# Allegro board Try it by yourself - iMX6Rex module - Create Class - Assign Color - Copy last segment.brd (continued)
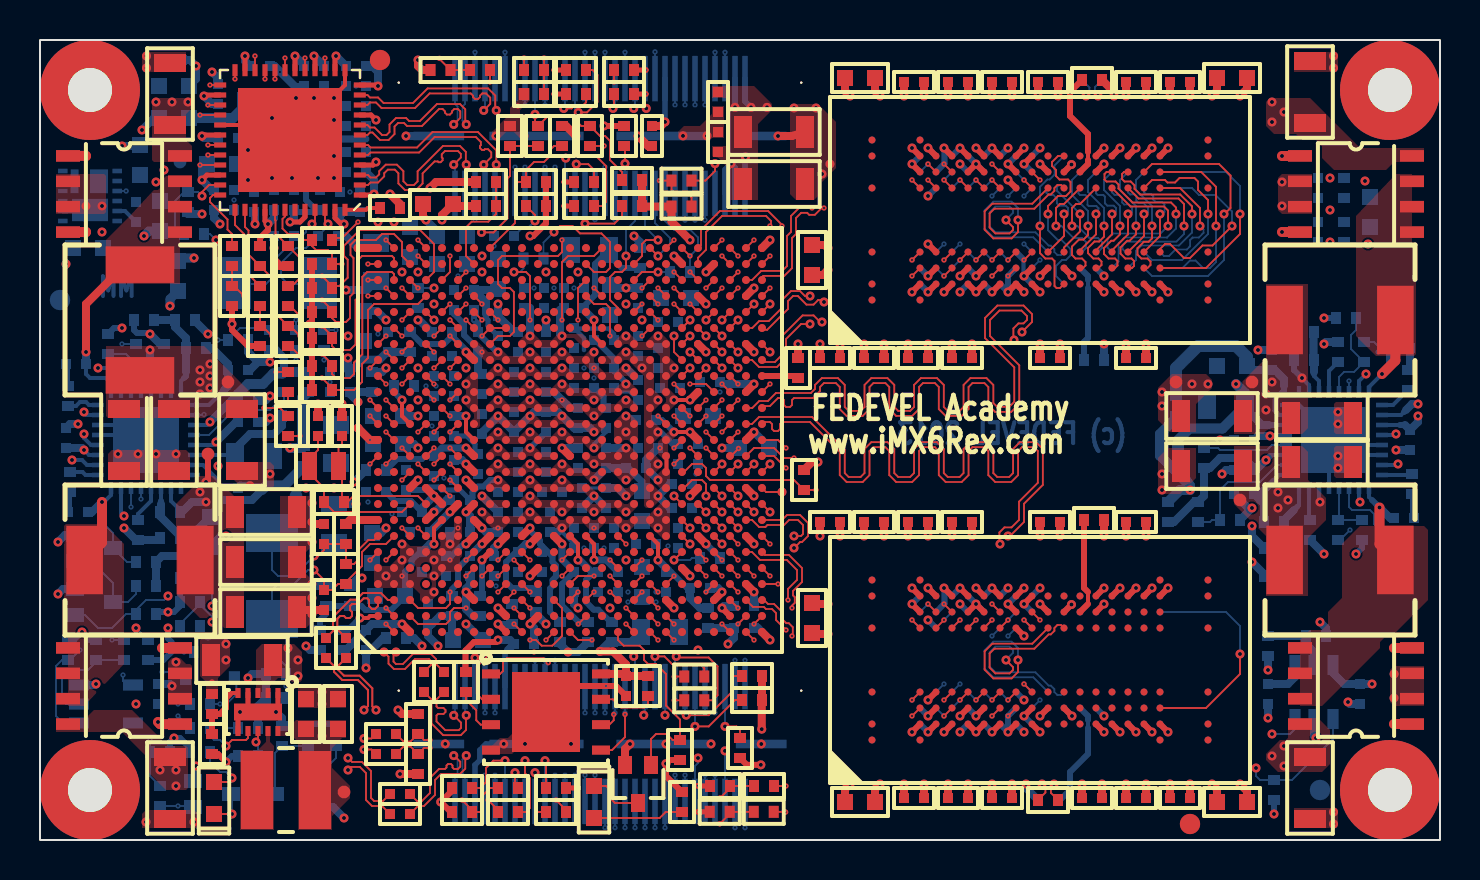
[diagram p0: board, top side]
## Routing (per net, layer and track width the routed paths; a pad name or vN(x,y) marks a point on that pad's centre or on a via; arc(x,y) is an arc through that point) (continued)
  TOP w0.093: v2(26.1,26) 26.1,28.9 26.4,29.2 27.7,29.2 U1.R25 ; U10.1 23,8.31 23.15,8.45 23.15,8.89 23.35,9.09 25.19,9.09 v2(25.41,8.87)
  L2 w0.1: v2(25.41,8.87) v3(25.81,8.87) ; v2(26.1,26) v3(26.4,25.7)
  L3 w0.08: v3(26.4,25.7) 26.9,25.2 26.9,17.7 26.3,17.1 25.8,17.1 25.2,16.5 25.2,12.78 25.7,12.28 25.7,11.21 25.87,11.04 25.87,9.76 25.7,9.59 25.7,8.98 v3(25.81,8.87)
CSPI3_MISO: length 27.8
  TOP w0.093: U10.2 22.11,7.04 21.84,7.3 21.84,8.67 22.57,9.4 v2(24.7,9.4) ; v2(26.9,26) 26.9,27.6 U1.P23
  L2 w0.1: v3(26.6,26.3) v2(26.9,26) ; v2(24.7,9.4) v3(25.1,9.4)
  L3 w0.08: v3(25.1,9.4) 25.23,9.4 25.67,9.84 25.67,10.96 25.5,11.13 25.5,12.1 24.9,12.7 24.9,16.58 25.72,17.4 26.2,17.4 26.6,17.8 26.6,24.5 26.27,24.83 25.94,24.83 25.72,25.04 25.72,25.43 26.6,26.3 v3(26.6,26.3)
CSPI3_MOSI: length 28.2
  TOP w0.093: U10.5 28.6,4.5 29.25,5.15 v2(29.25,6.28) ; v2(28.5,25.2) 28.5,26.6 28.3,26.8 27.7,26.8 U1.P22
  L2 w0.1: v3(28.2,24.9) v2(28.5,25.2) ; v2(29.25,6.28) v3(29.25,6.68)
  L3 w0.08: v3(28.2,24.9) 27.67,24.9 27.2,24.43 27.2,17.6 26.4,16.8 25.9,16.8 25.5,16.4 25.5,12.87 25.9,12.47 25.9,11.3 26.07,11.13 26.07,9.68 26,9.6 26,9.27 27.37,7.9 28.03,7.9 v3(29.25,6.68)
DRAM0_ZQ: length 4.8
  TOP w0.2: 52.4,12.4 52.4,11.8
  TOP w0.3: 52.4,12.4 52.2,12.6 R4.2 ; 52.4,11.8 U2.L8
DRAM1_ZQ: length 5.4
  BOTTOM w0.2: 52.4,6 52.4,5.6
  BOTTOM w0.3: 52.4,5.6 52.4,4.3 51.5,3.4 51.5,2.5 51,2 R5.2 ; 52.4,6 52.4,6.2 U3.L8
DRAM2_ZQ: length 5.4
  TOP w0.2: 52.4,34.4 52.4,34
  TOP w0.3: 52.4,34 52.4,33.8 U4.L8 ; R8.2 51.5,37.4 51.5,36.2 52.4,35.3 52.4,34.4
DRAM3_ZQ: length 4.8
  BOTTOM w0.2: 52.4,28 52.4,27.6
  BOTTOM w0.3: R9.2 52.2,24.9 52.4,25.1 52.4,27.6 ; 52.4,28 52.4,28.2 U5.L8
DRAM_A0: length 66.4
  TOP w0.093: v1(54.4,31.3) 54.4,30.28 53.6,29.48 U4.N3 ; v2(34.1,20.4) U1.AC14
  L2 w0.1: v2(34.1,20.4) v3(34.4,20.1)
  L3 w0.08: v4(52.9,18.6) 52.62,18.6 51.27,17.25 46.11,17.25 45.69,17.68 44.6,17.68 44.42,17.5 40.83,17.5 38.73,19.6 36.9,19.6 36.71,19.42 36.71,19.18 36.87,19.02 36.87,18.64 36.66,18.43 36.24,18.43 35.9,18.08 35.9,17.75 35.75,17.6 35.5,17.6 35.35,17.75 35.35,18.05 35.2,18.2 34.95,18.2 34.8,18.05 34.8,17.75 34.65,17.6 34.4,17.6 34.25,17.75 34.25,18.05 34.1,18.2 33.25,18.2 33.12,18.33 33.12,18.7 33.25,18.83 33.53,18.83 33.9,19.2 34.23,19.2 34.6,19.57 34.6,19.9 v3(34.4,20.1)
  L10 w0.08: 54.4,9.3 54.4,9.69 57,12.29 57,13 56.77,13.23 56.45,13.23 56.25,13.42 56.25,14.49 56.11,14.63 55.86,14.63 55.71,14.48 55.71,13.84 55.56,13.69 55.31,13.69 55.15,13.85 55.15,14.69 55.28,14.82 55.55,14.82 55.67,14.94 55.67,15.63 55.55,15.75 55.28,15.75 55.15,15.88 55.15,16.62 54.72,17.05 54.22,17.05 53.77,17.5 53.77,17.75 54.17,18.15 54.17,18.4 54.02,18.55 53.77,18.55 53.37,18.15 53.12,18.15 52.9,18.37 v4(52.9,18.6) 52.1,19.4 52.1,19.65 52.25,19.8 52.5,19.8 52.7,20 52.7,21.74 53.7,22.74 53.7,23 55.12,24.43 55.46,24.43 55.67,24.64 55.67,25.42 57.3,27.04 57.3,27.76 56.26,28.8 55.99,28.8 54.4,30.39 v1(54.4,31.3)
  BOTTOM w0.093: v1(54.4,31.3) 54.5,31.3 54.6,31.4 54.6,31.62 54.44,31.78 54.21,31.78 54.11,31.87 54.11,32.11 53.96,32.25 53.73,32.25 53.6,32.38 U5.N3
DRAM_A1: length 65.6
  TOP w0.093: U1.AB14 v2(34.1,21.2) ; U4.P7 54.92,32.08 56.92,32.08 57.2,31.8 v1(57.2,30.7)
  L2 w0.1: v3(33.8,20.9) v2(34.1,21.2)
  L3 w0.08: v4(55.9,21) 56.2,21 56.5,21.3 56.5,21.5 56.65,21.65 56.9,21.65 57.05,21.5 57.05,20.72 56.76,20.43 55.45,20.43 55.25,20.23 53.66,20.23 53.33,19.9 52.25,19.9 50.83,18.48 48.02,18.48 47.5,19 46.93,19 46.66,18.73 46.33,18.73 46.06,19 41.35,19 39.25,21.1 34.17,21.1 34.08,21.01 33.91,21.01 v3(33.8,20.9)
  L10 w0.08: v1(57.2,30.7) 57.2,30.51 59.05,28.66 59.05,25.5 57.02,23.48 57.02,22.68 56.95,22.6 56.65,22.6 56.5,22.45 56.5,22.2 56.65,22.05 57.45,22.05 57.6,21.9 57.6,21.65 57.45,21.5 56.43,21.5 56.26,21.33 56,21.33 55.9,21.23 v4(55.9,21) 55.9,20.36 56.85,19.41 56.85,19.3 58.7,17.45 58.7,11.49 57.2,9.99 57.2,8.7
  BOTTOM w0.093: U5.P7 54.27,29.4 54.12,29.55 54.12,29.74 54.31,29.93 56.82,29.93 57.2,30.3 v1(57.2,30.7)
DRAM_A2: length 64.1
  TOP w0.093: v1(55.2,31.3) 55.2,30.2 U4.P3 ; U1.AA14 v2(33.3,21.2)
  L2 w0.1: v3(33,20.9) v2(33.3,21.2)
  L3 w0.08: v3(33,20.9) 33.51,21.41 33.92,21.41 34.31,21.81 34.31,21.82 34.48,21.98 34.72,21.98 34.89,21.82 36.09,21.82 36.13,21.85 39.5,21.85 41.15,20.2 41.35,20.2 41.5,20.35 41.5,20.55 41.65,20.7 41.9,20.7 42.05,20.55 42.05,19.85 42.2,19.7 42.45,19.7 42.6,19.85 42.6,20.55 42.75,20.7 43,20.7 43.15,20.55 43.15,19.85 43.3,19.7 43.55,19.7 43.7,19.85 43.7,20.55 43.85,20.7 44.1,20.7 44.25,20.55 44.25,19.85 44.4,19.7 44.65,19.7 44.8,19.85 44.8,20.25 44.95,20.4 45.2,20.4 45.35,20.25 45.35,19.85 45.5,19.7 45.75,19.7 45.9,19.85 45.9,20.25 46.05,20.4 46.3,20.4 46.45,20.25 46.45,19.85 46.6,19.7 46.78,19.7 46.88,19.6 48.15,19.6 48.3,19.45 48.3,19.1 48.45,18.95 48.7,18.95 48.85,19.1 48.85,19.55 48.98,19.68 50.9,19.68 51.07,19.5 51.55,19.5 52.45,20.4 v4(53.3,20.4)
  L10 w0.08: v1(55.2,31.3) 55.2,30.57 57.8,27.97 57.8,26.84 56.99,26.03 56.99,25.79 57.15,25.64 57.15,25.4 57,25.25 56.76,25.25 56.6,25.41 56.35,25.41 56.2,25.26 56.2,24.55 53.3,21.65 v4(53.3,20.4) 53.3,19.6 53.72,19.18 54.46,19.18 54.92,18.71 54.92,17.48 55.6,16.8 55.6,16.5 55.89,16.21 56.63,16.21 56.94,15.89 56.94,15.29 57.45,14.78 57.45,12.03 55.2,9.78 55.2,9.3
  BOTTOM w0.093: U5.P3 54.4,32.38 54.5,32.28 54.74,32.28 54.82,32.2 54.82,31.97 54.93,31.85 55.16,31.85 55.4,31.62 55.4,31.4 55.3,31.3 v1(55.2,31.3)
DRAM_A3: length 66
  TOP w0.093: U4.N2 53.75,28.6 53.87,28.73 53.87,28.95 53.75,29.08 53.42,29.08 53.2,29.3 53.2,29.6 53.56,29.96 53.68,29.96 54,30.28 v1(54,30.7) ; v2(31.7,21.2) U1.Y14
  L2 w0.1: v3(31.4,21.5) v2(31.7,21.2)
  L3 w0.08: v3(31.4,21.5) 31.27,21.63 31.27,22.16 31.05,22.38 31.05,22.95 30.9,23.1 30.65,23.1 30.5,22.95 30.5,22.6 30.29,22.39 29.89,22.39 29.7,22.2 29.7,21.8 30.5,21 32.41,21 33.31,21.9 33.6,21.9 33.68,21.98 34.18,21.98 34.38,22.19 34.83,22.19 35,22.02 36.01,22.02 36.1,22.1 39.53,22.1 40.68,20.95 44.15,20.95 44.5,20.6 46.5,20.6 47.22,19.87 50.03,19.87 50.23,20.08 51.22,20.08 v4(51.4,19.9)
  L10 w0.08: v1(54,30.7) 54,30.43 55.93,28.5 56.21,28.5 57.05,27.66 57.05,27.16 54.92,25.04 54.92,24.56 53.4,23.04 53.4,22.8 52.3,21.7 52.3,20.9 52.5,20.7 52.5,20.35 52.35,20.2 52.1,20.2 51.85,20.45 51.65,20.45 51.4,20.2 v4(51.4,19.9) 51.4,19.53 54.13,16.8 54.63,16.8 54.9,16.53 54.9,13.7 55.15,13.45 55.56,13.45 56.04,12.98 56.61,12.98 56.8,12.78 56.8,12.44 54,9.64 54,8.7
  BOTTOM w0.093: v1(54,30.7) 54,31.7 53.2,32.5 53.2,33 U5.N2
DRAM_A4: length 65.6
  TOP w0.093: U4.P8 54.2,33.4 54.1,33.3 54.1,33.05 54.22,32.93 54.53,32.93 54.72,32.73 54.72,32.56 55.01,32.28 57.01,32.28 57.6,31.68 v1(57.6,31.3) ; v2(30.9,21.2) U1.W14
  L2 w0.1: v3(30.6,21.5) v2(30.9,21.2)
  L3 w0.08: v3(30.6,21.5) 30.88,21.22 32.35,21.22 33.23,22.1 33.51,22.1 33.8,22.39 34.91,22.39 35.08,22.22 35.93,22.22 36.06,22.35 39.57,22.35 40.72,21.2 44.19,21.2 44.54,20.85 46.6,20.85 47.32,20.13 50,20.13 50.15,20.28 51.14,20.28 51.52,20.65 52.95,20.65 53.1,20.8 53.43,20.8 53.81,20.43 55.16,20.43 55.36,20.63 56.42,20.63 v4(56.6,20.8)
  L10 w0.08: 57.6,9.3 57.6,10.04 58.95,11.39 58.95,17.6 56.6,19.95 v4(56.6,20.8) 57,21.2 57.45,21.2 57.8,21.55 57.8,22.02 57.22,22.59 57.22,23.28 59.3,25.35 59.3,28.76 57.6,30.46 v1(57.6,31.3)
  BOTTOM w0.093: v1(57.6,31.3) 57.6,30.38 56.95,29.73 55.07,29.73 54.8,29.46 54.8,29 U5.P8
DRAM_A5: length 66.8
  TOP w0.093: v2(37.3,19.6) 36.9,20 U1.AE13 ; v1(54.8,30.7) 54.8,30.28 54.48,29.96 54.36,29.96 54.02,29.63 54.02,29.32 54.27,29.08 54.57,29.08 54.7,28.95 54.7,28.7 54.6,28.6 U4.P2
  L2 w0.1: v3(37,19.3) v2(37.3,19.6)
  L3 w0.08: v3(37,19.3) 37,19.3 38.18,19.3 38.52,18.96 38.52,18.74 38.74,18.52 39.47,18.52 40.75,17.25 44.45,17.25 44.68,17.48 45.6,17.48 46.08,17 51.35,17 52.27,17.93 52.67,17.93 52.9,17.7 52.9,16.9 53.05,16.75 54.5,16.75 54.65,16.9 54.65,17.15 54.5,17.3 53.5,17.3 53.35,17.45 53.35,18.65 53.5,18.8 53.75,18.8 53.9,18.65 53.9,17.9 54.05,17.75 54.3,17.75 54.45,17.9 54.45,18.65 v4(54.4,18.7)
  L10 w0.08: v1(54.8,30.7) 54.8,30.35 56.07,29.08 56.34,29.08 57.55,27.87 57.55,26.94 55.95,25.34 55.95,24.64 55.54,24.22 55.25,24.22 53.99,22.96 53.99,22.7 53,21.71 53,20.71 52.92,20.63 52.92,19.68 53.7,18.9 54.2,18.9 v4(54.4,18.7) 54.5,18.7 54.7,18.5 54.7,18 54.6,17.9 54.35,17.9 54.15,17.7 54.15,17.45 54.3,17.3 54.8,17.3 55.4,16.7 55.4,16.31 55.76,15.96 56.54,15.96 56.69,15.81 56.69,15.56 56.54,15.4 56.1,15.4 55.95,15.25 55.95,15 56.1,14.85 57.1,14.85 57.25,14.7 57.25,14.45 57.1,14.3 56.6,14.3 56.45,14.15 56.45,13.9 56.6,13.75 57.1,13.75 57.2,13.65 57.2,12.14 54.8,9.74 54.8,8.7
  BOTTOM w0.093: U5.P2 54,33 54,32.5 54.8,31.7 v1(54.8,30.7)
DRAM_A6: length 66.1
  TOP w0.093: U4.R8 55.6,33.8 58.95,33.8 59.52,33.23 59.52,31.6 59.22,31.3 v1(59.2,31.3) ; U1.AC13 v2(34.9,20.4)
  L2 w0.1: v2(34.9,20.4) v3(35.2,20.7)
  L3 w0.08: v3(35.2,20.7) 35.35,20.85 39.17,20.85 41.27,18.75 46.03,18.75 46.3,18.48 46.69,18.48 46.89,18.68 47.49,18.68 47.94,18.23 50.91,18.23 52.39,19.7 53.41,19.7 53.71,20 55.43,20 55.63,20.2 56.81,20.2 58.11,21.5 59.2,21.5 59.4,21.3 v4(59.4,20.7)
  L10 w0.08: v1(59.2,31.3) 59.2,30.5 60.3,29.4 60.3,24.9 60,24.6 60,23.82 60.17,23.64 60.17,22.5 59.9,22.22 59.9,21.5 59.75,21.35 59.35,21.35 59.2,21.2 59.2,20.9 v4(59.4,20.7) 59.4,19.37 59.97,18.79 59.97,10.68 59.2,9.9 59.2,9.3
  BOTTOM w0.093: U5.R8 55.6,28.2 58.4,28.2 59.2,29 v1(59.2,31.3)
DRAM_A7: length 64.6
  TOP w0.093: U1.Y13 v2(31.7,19.6) ; U4.R2 55.37,28.6 55.52,28.75 55.52,28.93 55.37,29.08 55.07,29.08 54.87,29.27 54.87,29.59 55.19,29.91 55.43,29.91 55.6,30.08 v1(55.6,30.7)
  L2 w0.1: v3(31.4,19.3) v2(31.7,19.6)
  L3 w0.08: v3(31.4,19.3) 31.3,19.2 30,19.2 29.85,19.35 29.85,19.65 30,19.8 32.9,19.8 33.11,20.02 33.11,20.3 33.43,20.62 33.92,20.62 34.11,20.81 34.69,20.81 35.47,20.03 35.86,20.03 36.43,20.6 39.09,20.6 41.19,18.5 45.99,18.5 46.27,18.23 46.79,18.23 47.04,18.48 47.36,18.48 47.86,17.98 50.99,17.98 52.44,19.43 53.72,19.43 v4(53.9,19.6)
  L10 w0.08: v1(55.6,30.7) 55.6,30.52 58.05,28.07 58.05,26.75 57.55,26.25 57.55,25.5 53.72,21.68 53.72,19.78 v4(53.9,19.6) 54.1,19.4 54.52,19.4 55.12,18.8 55.12,17.58 55.8,16.9 55.8,16.7 56.09,16.41 56.76,16.41 57.14,16.02 57.14,15.46 57.7,14.9 57.7,11.93 55.6,9.83 55.6,8.7
  BOTTOM w0.093: v1(55.6,30.7) 55.6,31.7 54.8,32.5 54.8,33 U5.R2
DRAM_A8: length 65.4
  TOP w0.093: v2(33.3,20.4) U1.AB13 ; U4.T8 58.06,33.4 58.8,32.66 v1(58.8,30.7)
  L2 w0.1: v2(33.3,20.4) v3(33.6,20.1)
  L3 w0.08: v4(58.7,20.9) 57.9,20.9 57,20 55.72,20 55.49,19.78 54.61,19.78 54.06,19.23 52.58,19.23 51.08,17.73 46.2,17.73 45.85,18.08 44.43,18.08 44.36,18 41.02,18 38.92,20.1 36.5,20.1 35.92,19.53 35.41,19.53 34.55,20.39 34.28,20.39 34,20.1 v3(33.6,20.1)
  L10 w0.08: v1(58.8,30.7) 58.8,30.5 60.05,29.25 60.05,25 59.22,24.18 59.22,23.87 59.37,23.73 59.7,23.73 59.85,23.58 59.85,23.33 59.7,23.18 59.33,23.18 59.1,22.95 59.1,22.3 59.3,22.1 59.55,22.1 59.7,21.95 59.7,21.7 59.55,21.55 58.7,21.55 58.55,21.4 58.55,21.15 58.7,21 v4(58.7,20.9) 58.7,20.28 58.62,20.2 58.62,19.68 59.72,18.58 59.72,10.93 58.8,10 58.8,8.7
  BOTTOM w0.093: U5.T8 57.13,28.6 57.5,28.97 57.78,28.97 58.15,28.6 58.5,28.6 58.8,28.9 v1(58.8,30.7)
DRAM_A9: length 65.2
  TOP w0.093: U4.R3 56,30.2 v1(56,31.3) ; U1.AE12 36.7,19.2 v2(37.3,18.6)
  L2 w0.1: v2(37.3,18.6) v3(37.6,18.3)
  L3 w0.08: v3(37.6,18.3) 37.17,18.3 36.9,18.03 36.52,18.03 36.3,17.8 36.3,17.5 36.5,17.3 36.5,17 36.12,16.63 36.12,16.24 36.34,16.03 36.66,16.03 36.88,16.25 55.35,16.25 55.9,16.8 55.9,17.07 55.6,17.37 55.6,17.7 55.77,17.87 56.55,17.87 56.77,18.1 56.77,18.52 56.6,18.7 55.6,18.7 v4(55.5,18.8)
  L10 w0.08: v1(56,31.3) 56,30.5 58.3,28.2 58.3,25.86 54.3,21.86 54.3,20 v4(55.5,18.8) 55.4,18.7 55.4,17.58 56.28,16.7 56.53,16.7 56.68,16.85 56.68,17.1 56.49,17.29 56.49,17.64 56.64,17.79 56.89,17.79 57.04,17.64 57.04,17.41 57.35,17.1 57.85,17.1 58,16.95 58,16.7 57.85,16.55 57.45,16.55 57.3,16.4 57.3,16.15 57.45,16 57.85,16 58,15.85 58,15.6 57.75,15.35 57.75,15.15 57.95,14.95 57.95,11.83 56,9.88 56,9.3
  BOTTOM w0.093: v1(56,31.3) 56.12,31.3 56.22,31.4 56.22,31.78 56.1,31.9 55.78,31.9 55.66,32.02 55.66,32.19 55.55,32.3 55.28,32.3 55.2,32.38 U5.R3
DRAM_A10: length 68.3
  TOP w0.093: U1.AA15 v2(33.3,22) ; v1(50.8,30.7) 50.8,31.6 51,31.8 51.2,31.8 U4.L7
  L2 w0.1: v3(33,22.3) v2(33.3,22)
  L3 w0.08: v3(33,22.3) 33.7,23 33.98,23 34.4,22.59 34.7,22.59 35.51,23.4 48.7,23.4 49.1,23 49.1,21.9 48.95,21.75 48.7,21.75 48.55,21.9 48.55,22.65 48.4,22.8 48.15,22.8 48,22.65 48,21.9 47.85,21.75 47.6,21.75 47.45,21.9 47.45,22.65 47.3,22.8 45.9,22.8 45.7,22.6 45.7,22.2 45.9,22 v4(46.4,22)
  L10 w0.08: v1(50.8,30.7) 50.8,30.45 52.27,28.99 52.27,27.13 50.37,25.24 50.37,24.64 50.16,24.43 49.81,24.43 48.58,23.2 46.8,23.2 46.6,23 46.6,22.6 46.4,22.4 45.88,22.4 45.5,22.02 45.5,20.1 45.65,19.95 45.95,19.95 46.1,20.1 46.1,21.8 46.3,22 v4(46.4,22) 46.5,22 46.7,21.8 46.7,19.9 46.12,19.33 46.12,18.93 46.55,18.5 46.55,16.47 47.02,16 49.02,16 49.57,15.46 49.57,15.1 49.84,14.83 50.28,14.83 50.68,14.43 50.82,14.43 51.97,13.28 51.97,12.23 52.24,11.96 52.24,11.04 50.8,9.6 50.8,8.7
  BOTTOM w0.093: v1(50.8,30.7) 51.07,30.7 51.67,30.1 52.1,30.1 52.3,29.9 52.3,29.6 52.1,29.4 U5.L7
DRAM_A11: length 64.7
  TOP w0.093: v2(34.92,19.58) 34.52,19.18 U1.AC12 ; v1(58.4,31.3) 58.4,32 57.9,32.5 57.9,32.93 57.72,33.1 56.97,33.1 56.75,32.88 56.37,32.88 56.25,33 55.6,33 U4.R7
  L2 w0.1: v2(34.92,19.58) v3(35.22,19.28)
  L3 w0.08: v4(58.1,20.5) 58.22,20.63 58.37,20.63 58.52,20.48 58.52,20.23 58.37,20.08 57.37,20.08 57.07,19.78 55.77,19.78 55.57,19.58 54.74,19.58 54.17,19 52.68,19 51.18,17.5 46.14,17.5 45.77,17.87 44.51,17.87 44.39,17.75 40.91,17.75 38.81,19.85 36.85,19.85 36.12,19.13 36.12,18.69 35.86,18.43 34.74,18.43 34.52,18.64 34.52,18.96 34.84,19.28 v3(35.22,19.28)
  L10 w0.08: 58.4,9.3 58.4,10 59.47,11.08 59.47,18.46 59.26,18.68 58.92,18.68 58.1,19.5 v4(58.1,20.5) 58.1,20.9 58.3,21.1 58.3,22.17 58.77,22.64 58.77,22.96 58.37,23.37 58.37,23.7 59.8,25.13 59.8,29.1 58.4,30.5 v1(58.4,31.3)
  BOTTOM w0.093: U5.R7 55.6,29 57.1,29 58.4,30.3 v1(58.4,31.3)
DRAM_A12: length 66
  TOP w0.093: U1.AD12 35.7,19.6 36.7,19.6 37.2,19.1 v2(37.7,19.1) ; U4.N7 54.52,31.68 56.2,31.68 56.4,31.48 v1(56.4,30.7)
  L2 w0.1: v2(37.7,19.1) v3(38,18.8)
  L3 w0.08: v4(56,19.4) 56.05,19.45 56.9,19.45 57.05,19.3 57.05,19.05 56.9,18.9 55.93,18.9 55.66,19.18 55.07,19.18 54.8,18.9 54.8,17.95 54.95,17.8 55.15,17.8 55.3,17.65 55.3,17.3 55.2,17.2 55.2,17 55.3,16.9 55.3,16.7 55.1,16.5 46.01,16.5 45.44,17.08 44.84,17.08 44.52,16.75 40.61,16.75 39.95,17.41 39.49,17.41 39.28,17.63 39.28,17.9 39.1,18.08 38.32,18.08 38,18.4 v3(38,18.8)
  L10 w0.08: v1(56.4,30.7) 56.4,30.6 58.55,28.45 58.55,25.75 54.52,21.73 54.52,20.68 55.8,19.4 v4(56,19.4) 56.1,19.4 56.4,19.1 56.4,18.8 56.27,18.68 55.94,18.68 55.72,18.46 55.72,18.08 55.87,17.93 56.26,17.93 56.53,18.2 56.87,18.2 57.19,17.87 57.66,17.87 58.2,17.34 58.2,16.6 58,16.4 58,16.2 58.2,16 58.2,11.7 56.37,9.88 56.37,8.73 56.4,8.7
  BOTTOM w0.093: v1(56.4,30.7) 56.02,30.33 53.65,30.33 53.37,30.05 53.37,29.63 U5.N7
DRAM_A13: length 63.9
  TOP w0.093: U1.AC17 v2(34.9,22.8) ; v1(59.6,30.7) 58.62,29.73 58.12,29.73 57.5,29.1 57.2,29.1 56.5,29.8 56.25,29.8 56,29.55 U4.T3
  L2 w0.1: v2(34.9,22.8) v3(35.2,22.5)
  L3 w0.08: v3(35.2,22.5) 35.27,22.43 35.86,22.43 36.03,22.6 39.6,22.6 40.75,21.45 44.22,21.45 44.57,21.1 46.7,21.1 47.43,20.38 49.16,20.38 49.26,20.48 51.06,20.48 51.48,20.9 52.8,20.9 52.9,21 54.37,21 54.74,20.63 55.06,20.63 55.5,21.07 55.5,22.33 55.94,22.78 57.02,22.78 57.8,22 59.4,22 59.8,21.6 v4(59.8,20)
  L10 w0.08: 59.6,8.7 59.6,9.8 60.22,10.43 60.22,19 59.8,19.43 v4(59.8,20) 59.8,20.8 60,21 60.3,21 60.5,21.2 60.5,23.6 60.27,23.83 60.27,24.46 60.55,24.73 60.55,29.75 v1(59.6,30.7)
  BOTTOM w0.093: v1(59.6,30.7) 59.6,31.43 58.78,32.25 57.95,32.25 57.6,32.6 U5.T3
DRAM_A14: length 63.1
  TOP w0.093: v2(32.5,19.6) U1.AA12 ; U4.T7 57,32.6 58,31.6 v1(58,30.7)
  L2 w0.1: v2(32.5,19.6) v3(32.8,19.3)
  L3 w0.08: v3(32.8,19.3) 32.7,19.2 32.7,17.53 32.87,17.36 32.87,16.23 33.07,16.03 36.06,16.03 36.26,15.83 36.74,15.83 36.91,16 55.43,16 56.67,17.25 56.67,17.7 57,18.03 57,18.6 57.25,18.85 57.25,19.25 v4(57.7,19.7)
  L10 w0.08: v1(58,30.7) 58,30.55 59.55,29 59.55,25.27 58,23.72 58,21.2 57.7,20.9 v4(57.7,19.7) 57.55,19.55 57.55,19.35 57.9,19 58.2,19 58.7,18.5 58.7,18.17 59.2,17.67 59.2,11.28 58,10.08 58,8.7
  BOTTOM w0.093: U5.T7 56.2,29.2 56.45,29.2 56.77,29.53 57.34,29.53 57.5,29.69 57.5,30 57.63,30.13 57.94,30.13 58.17,30.36 58.17,30.52 v1(58,30.7)
DRAM_A15: length 66.4
  TOP w0.093: v1(51.6,30.7) 51.6,31.6 51.8,31.8 52,31.8 U4.M7 ; v2(31.7,18.8) U1.Y12
  L2 w0.1: v2(31.7,18.8) v3(32,19.1)
  L3 w0.08: v4(47.2,18.1) 47.07,17.98 46.24,17.98 45.91,18.3 44.37,18.3 44.32,18.25 41.1,18.25 39,20.35 36.47,20.35 35.89,19.78 35.44,19.78 34.61,20.61 34.19,20.61 33.99,20.4 33.5,20.4 33.31,20.22 33.31,19.82 33.1,19.6 32.63,19.6 32.43,19.4 32.43,18.1 32.1,17.77 32.1,16.9 31.9,16.7 31.5,16.7 31.3,16.9 31.3,17.4 31.1,17.6 30.7,17.6 30.5,17.4 30.5,16.95 30.35,16.8 30.05,16.8 29.9,16.95 29.9,18 30.3,18.4 31.3,18.4 31.5,18.6 31.5,18.9 31.7,19.1 v3(32,19.1)
  L10 w0.08: v1(51.6,30.7) 51.6,30.36 52.8,29.16 52.8,26.98 51.37,25.56 51.37,24.59 51.21,24.43 50.72,24.43 50.32,24.03 50.14,24.03 48.82,22.7 47.75,22.7 47.3,22.25 47.3,19.55 47,19.25 47,18.3 v4(47.2,18.1) 47.5,18.1 47.6,18.2 47.6,19.1 47.75,19.25 48,19.25 48.15,19.1 48.15,17.15 48,17 47.8,17 47.65,16.85 47.65,16.65 47.8,16.5 49.57,16.5 50.62,15.45 50.62,15.04 50.84,14.83 51.1,14.83 52.54,13.39 52.54,12.29 52.82,12 52.82,10.82 51.6,9.6 51.6,8.7
  BOTTOM w0.093: U5.M7 52.9,29.4 53.1,29.6 53.1,29.9 52.9,30.1 52.47,30.1 51.87,30.7 v1(51.6,30.7)
DRAM_CAS_B: length 66.2
  TOP w0.093: U1.AE16 v2(36.5,22.8) ; v1(52,31.3) 52,30.43 51.2,29.63 U4.K3
  L2 w0.1: v3(36.2,23.1) v2(36.5,22.8)
  L3 w0.08: v4(47.7,21) 47.8,20.9 48.7,20.9 48.85,21.05 48.85,21.35 48.7,21.5 47.5,21.5 47.37,21.63 45.5,21.63 45.35,21.78 45.35,23 45.2,23.15 44.95,23.15 44.8,23 44.8,22.05 44.65,21.9 44.4,21.9 44.25,22.05 44.25,23 44.1,23.15 43.85,23.15 43.7,23 43.7,21.8 43.55,21.65 43.3,21.65 43.15,21.8 43.15,23 43,23.15 42.75,23.15 42.6,23 42.6,21.8 42.45,21.65 42.2,21.65 42.05,21.8 42.05,23 41.9,23.15 41.65,23.15 41.5,23 41.5,21.8 41.35,21.65 41.1,21.65 40.95,21.8 40.95,23 40.8,23.15 40.55,23.15 40.4,23 40.4,22.65 40.25,22.5 40,22.5 39.85,22.65 39.85,23 39.7,23.15 39.45,23.15 39.15,22.85 38.9,22.85 38.6,23.15 38.35,23.15 38.05,22.85 37.8,22.85 37.5,23.15 37.25,23.15 36.95,22.85 36.7,22.85 36.45,23.1 v3(36.2,23.1)
  L10 w0.08: 52,9.3 52,9.6 53.57,11.17 53.57,11.96 53.33,12.2 53.07,12.2 52.82,12.44 52.82,13.45 51.37,14.9 51.37,15.36 51.16,15.58 50.85,15.58 49.68,16.75 48.9,16.75 48.4,17.25 48.4,19.2 48.15,19.45 47.85,19.45 47.7,19.6 47.7,19.85 47.85,20 48.2,20 48.35,20.15 48.35,20.4 48.2,20.55 47.9,20.55 47.7,20.75 v4(47.7,21) 47.7,22.3 47.85,22.45 48.1,22.45 48.25,22.3 48.25,21.35 48.4,21.2 48.65,21.2 48.8,21.35 48.8,22.35 50.27,23.83 50.4,23.83 50.73,24.15 51.26,24.15 51.62,24.51 51.62,25.48 53.17,27.03 53.36,27.03 53.57,27.24 53.57,28.36 53.13,28.8 53.13,29.17 52,30.3 v1(52,31.3)
  BOTTOM w0.093: U5.K3 51.07,32.73 50.92,32.73 50.85,32.65 50.85,32.46 52,31.31 v1(52,31.3)
DRAM_CLK0_N: length 64.3
  TOP w0.09: v1(48.7,25) 48.67,25.03 48.67,25.58 48.92,25.83 49.18,25.83 49.35,26 49.35,26.2 49.07,26.47 47.97,26.47 47.5,26 47.5,25.2 48.96,23.74 48.96,21.81 48.56,21.4 47.86,21.4 47.76,21.4 47.42,21.75 47.42,22.65 47.22,22.85 46.62,22.85 46.43,22.65 46.43,21.55 46.08,21.2 45.28,21.2 44.94,21.55 44.94,22.65 44.74,22.85 44.15,22.85 43.95,22.65 43.95,21.55 43.61,21.2 42.81,21.2 42.46,21.55 42.46,22.65 42.27,22.85 41.67,22.85 41.48,22.65 41.48,21.55 41.13,21.2 40.33,21.2 39.99,21.55 39.99,22.65 39.79,22.85 39.2,22.85 39,22.65 39,22.45 38.65,22.1 37.7,22.1 37.6,22 37.6,21.75 37.5,21.65 37.3,21.65 37.2,21.75 37.2,22 37.1,22.1 36.9,22.1 36.5,21.7 36.2,21.7 U1.AE15 ; U4.K7 51.05,32.75 50.87,32.75 50.72,32.6 50.72,32.46 50.54,32.28 50.43,32.28 49.72,31.56 47.72,31.56 47.48,31.33 47.48,30.62 47.77,30.33 48.48,30.33 48.65,30.5 48.65,30.64 48.3,30.99 v1(48.3,31)
  L10 w0.085: v1(52.3,37.2) 52.3,36.2 50.49,34.39 50.49,32.59 49.9,32 49.1,32 48.3,31.2 v1(48.3,31) 48.3,30.42 50.37,28.35 50.37,27.25 50.12,27 49.3,27 48.22,25.92 48.22,25.48 v1(48.7,25)
  BOTTOM w0.09: 51.05,29.25 U5.K7 51.05,29.25 ; 51.05,29.25 50.87,29.25 50.72,29.4 50.72,29.54 50.54,29.72 50.43,29.72 49.77,30.39 47.77,30.39 47.48,30.67 47.48,31.38 47.77,31.67 48.48,31.67 48.65,31.5 48.65,31.36 48.3,31.01 v1(48.3,31) ; R2.1 52.47,37.63 52.47,37.38 52.3,37.21 v1(52.3,37.2)
DRAM_CLK0_P: length 64.1
  TOP w0.09: v1(48.9,31) 48.9,30.4 48.58,30.08 47.67,30.08 47.23,30.52 47.23,31.43 47.61,31.81 49.61,31.81 U4.J7 ; U1.AD15 35.61,21.6 35.96,21.95 36.4,21.95 36.8,22.35 38.55,22.35 38.75,22.55 38.75,22.75 39.09,23.1 39.9,23.1 40.24,22.75 40.24,21.65 40.43,21.45 41.03,21.45 41.23,21.65 41.23,22.75 41.57,23.1 42.37,23.1 42.71,22.75 42.71,21.65 42.91,21.45 43.51,21.45 43.7,21.65 43.7,22.75 44.04,23.1 44.85,23.1 45.19,22.75 45.19,21.65 45.39,21.45 45.98,21.45 46.18,21.65 46.18,22.75 46.52,23.1 47.32,23.1 47.67,22.75 47.67,21.85 47.86,21.65 48.46,21.65 48.71,21.91 48.71,23.63 47.25,25.1 47.25,26.1 47.87,26.72 49.18,26.72 49.6,26.3 49.6,25.9 v1(49.1,25.4)
  L10 w0.085: v1(49.1,25.4) 49.04,25.46 48.63,25.46 48.5,25.6 48.5,25.8 49.42,26.72 50.24,26.72 50.65,27.13 50.65,28.47 48.58,30.54 48.58,30.63 48.9,30.95 v1(48.9,31) 48.9,31.4 49.22,31.72 50.02,31.72 50.77,32.47 50.77,34.27 52.58,36.08 52.58,36.68 52.9,37 v1(52.9,37.2)
  BOTTOM w0.09: v1(52.9,37.2) 52.75,37.35 52.75,37.65 R2.2 ; U5.J7 49.66,30.14 47.66,30.14 47.23,30.57 47.23,31.48 47.67,31.92 48.58,31.92 48.9,31.6 v1(48.9,31)
DRAM_CLK1_N: length 64.1
  TOP w0.09: v1(48,14.8) 47.97,14.83 47.97,15.38 48.22,15.63 48.58,15.63 48.95,16 48.95,16.92 49.89,17.86 49.89,19.45 49.7,19.64 49.1,19.64 48.9,19.45 48.9,18.24 48.56,17.9 47.76,17.9 47.42,18.24 47.42,19.45 47.22,19.64 46.62,19.64 46.43,19.45 46.43,18.24 46.08,17.9 45.28,17.9 44.94,18.24 44.94,19.45 44.74,19.64 44.15,19.64 43.95,19.45 43.95,18.24 43.61,17.9 42.81,17.9 42.46,18.24 42.46,19.45 42.27,19.64 41.67,19.64 41.48,19.45 41.48,18.24 41.13,17.9 40.33,17.9 39.99,18.24 39.99,19.41 38.5,20.9 37.1,20.9 37,20.8 37,20.55 36.9,20.45 36.7,20.45 36.6,20.55 36.6,20.8 36.5,20.9 36.2,20.9 U1.AE14 ; v1(50.1,2.8) 50.1,2.79 50.27,2.62 50.27,2.37 R3.1 ; v1(48.3,9) 48.3,8.99 48.65,8.64 48.65,8.5 48.48,8.33 47.77,8.33 47.48,8.62 47.48,9.33 47.72,9.56 49.72,9.56 50.43,10.28 50.54,10.28 50.72,10.46 50.72,10.6 50.87,10.75 51.05,10.75 U2.K7
  L10 w0.085: v1(48,14.8) 48.06,14.74 48.47,14.74 48.6,14.6 48.6,14.2 49.83,12.97 50.15,12.97 50.37,12.75 50.37,11.26 49.57,10.46 49.57,10.05 49.25,9.73 48.94,9.73 48.3,9.09 v1(48.3,9) 48.3,8.92 48.52,8.7 48.52,8.48 49.1,7.9 50.3,7.9 50.92,7.28 50.92,4.62 50.22,3.92 50.22,2.92 v1(50.1,2.8)
  BOTTOM w0.09: U3.K7 51.05,7.25 50.87,7.25 50.72,7.4 50.72,7.54 50.54,7.72 50.43,7.72 49.77,8.39 47.77,8.39 47.48,8.67 47.48,9.38 47.77,9.67 48.48,9.67 48.65,9.5 48.65,9.36 48.3,9.01 v1(48.3,9)
DRAM_CLK1_P: length 64
  TOP w0.09: v1(50.7,2.8) 50.55,2.65 50.55,2.35 R3.2 ; v1(48.4,15.2) 48.5,15.2 49.2,15.9 49.2,16.81 50.14,17.76 50.14,19.55 49.8,19.89 49,19.89 48.65,19.55 48.65,18.35 48.46,18.15 47.86,18.15 47.67,18.35 47.67,19.55 47.32,19.89 46.52,19.89 46.18,19.55 46.18,18.35 45.98,18.15 45.39,18.15 45.19,18.35 45.19,19.55 44.85,19.89 44.04,19.89 43.7,19.55 43.7,18.35 43.51,18.15 42.91,18.15 42.71,18.35 42.71,19.55 42.37,19.89 41.57,19.89 41.23,19.55 41.23,18.35 41.03,18.15 40.43,18.15 40.24,18.35 40.24,19.52 38.6,21.15 35.95,21.15 35.6,20.8 U1.AD14 ; v1(48.9,9) 48.9,8.4 48.58,8.08 47.67,8.08 47.23,8.52 47.23,9.43 47.61,9.81 49.61,9.81 U2.J7
  L10 w0.085: v1(48.4,15.2) 48.88,14.72 48.88,14.32 49.95,13.25 50.27,13.25 50.65,12.87 50.65,11.15 49.85,10.35 49.85,9.93 49.37,9.45 49.06,9.45 48.9,9.29 v1(48.9,9) 48.8,8.9 48.8,8.6 49.22,8.18 50.41,8.18 51.2,7.4 51.2,4.5 50.5,3.8 50.5,3 v1(50.7,2.8)
  BOTTOM w0.09: U3.J7 49.66,8.14 47.66,8.14 47.23,8.57 47.23,9.48 47.67,9.92 48.58,9.92 48.9,9.6 v1(48.9,9)
DRAM_CS0_B: length 67.4
  TOP w0.093: v2(31.7,22.8) U1.Y16 ; v1(52.4,30.7) 52.4,30.25 52.17,30.02 51.95,30.02 51.6,29.68 51.6,29.25 51.77,29.08 52.1,29.08 52.27,28.9 52.27,28.73 52.15,28.6 U4.L2
  L2 w0.1: v3(31.4,22.5) v2(31.7,22.8)
  L3 w0.08: v3(31.4,22.5) 31.71,22.82 32.41,22.82 32.9,23.3 32.9,24.53 33.14,24.78 36.66,24.78 37.28,24.15 50.4,24.15 50.55,24 50.55,23.75 50.4,23.6 50,23.6 49.85,23.45 49.85,23.2 50,23.05 50.4,23.05 50.55,22.9 50.55,22.65 50.4,22.5 50,22.5 49.85,22.35 49.85,22.1 50,21.95 50.35,21.95 50.5,21.8 50.5,21.55 50.35,21.4 50.1,21.4 v4(50,21.3)
  L10 w0.08: v1(52.4,30.7) 52.4,30.68 52.74,30.34 52.74,29.86 52.91,29.69 53.39,29.69 53.85,29.23 53.85,28.25 54,28.1 54.25,28.1 54.47,28.33 54.75,28.33 54.9,28.18 54.9,27.93 54.75,27.78 54.59,27.78 54.37,27.56 54.37,27.24 54.16,27.03 53.64,27.03 51.87,25.26 51.87,24.43 51.35,23.9 50.76,23.9 49.85,22.99 49.85,22.8 50,22.65 50.35,22.65 50.5,22.5 50.5,22.25 50.35,22.1 49.2,22.1 49.05,21.95 49.05,21.7 49.2,21.55 49.9,21.55 50,21.45 v4(50,21.3) 50,21.1 49.9,21 49.15,21 48.65,20.5 48.65,17.45 49.1,17 49.77,17 51,15.78 51.24,15.78 51.62,15.39 51.62,15 53.62,13 53.62,12.38 53.8,12.2 53.8,11 52.4,9.6 52.4,8.7
  BOTTOM w0.093: v1(52.4,30.7) 52.4,31.45 51.6,32.25 51.6,33 U5.L2
